# Altium PCB LimeSDR-X3_1v0.PcbDoc (part 15 of 25) (continued)
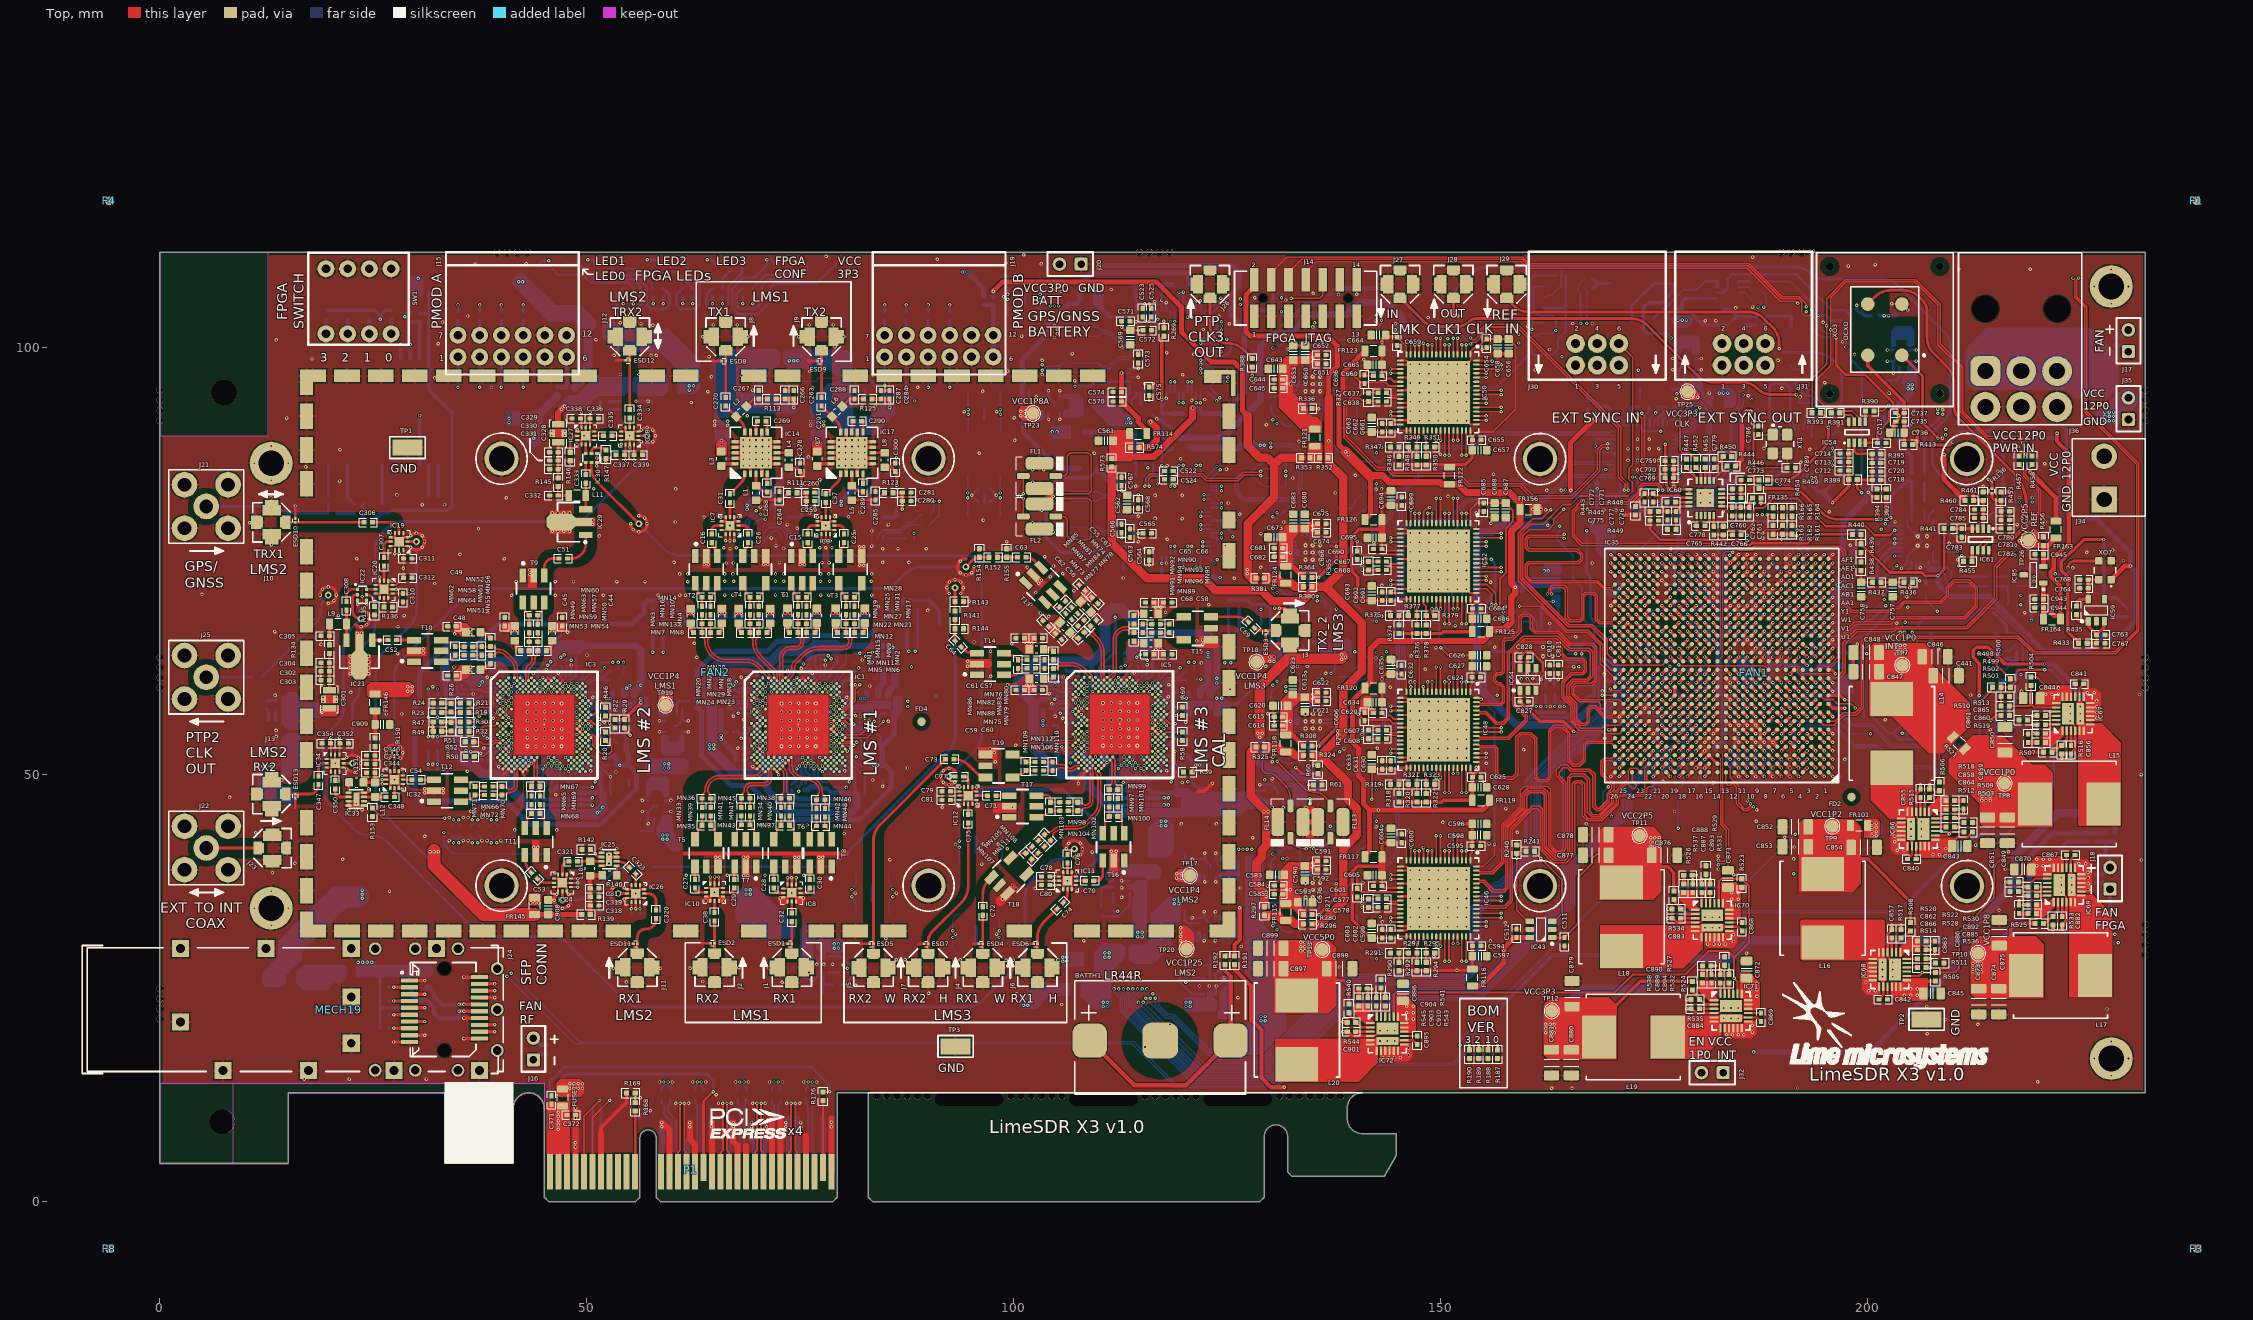
[diagram p0: Top view]
## Nets (pads, with @x,y where several pads share a name; then routed paths per layer and width w, separated by ;. In a path a pad name is that pad's centre, name@x,y a point inside that pad or via, vN(x,y) a via of type N, cw(c..) or ccw(c..) an arc to the next point about the centre after c; other vN are vias at no path point) (continued)
  Bottom w0.15: v1(92.85,30.925) 92.85,29.8 ccw(c93.675,29.8) FL9.1@93.675,28.975
  Bottom w0.2: R36.2@34.125,42.875 34.538,42.463 34.538,42.188 v1(34.375,42.025)
LMS2_IC_RX1_BB_Q_N: FL12.1 R42.2 | length 92.9
  L4 w0.1: v1(39.425,42.025) 39.412,42.025 39.354,42.083 cw(c39.696,42.425) 39.213,42.425 cw(c39.713,42.425) 39.713,42.925 52.49,42.925 cw(c52.49,40.385) 54.286,42.181 54.815,41.652 ccw(c56.751,43.588) 56.751,40.85 57.815,40.85 cw(c57.815,40.59) 58.075,40.59 58.075,39.024 ccw(c58.535,39.024) 58.535,38.564 58.615,38.564 ccw(c58.615,39.024) 59.075,39.024 59.075,40.59 cw(c59.335,40.59) 59.335,40.85 59.415,40.85 cw(c59.415,40.59) 59.675,40.59 59.675,39.024 ccw(c60.135,39.024) 60.135,38.564 60.215,38.564 ccw(c60.215,39.024) 60.675,39.024 60.675,40.59 cw(c60.935,40.59) 60.935,40.85 61.015,40.85 cw(c61.015,40.59) 61.275,40.59 61.275,39.027 ccw(c61.735,39.027) 61.735,38.567 61.815,38.567 ccw(c61.815,39.027) 62.275,39.027 62.275,40.59 cw(c62.535,40.59) 62.535,40.85 62.615,40.85 cw(c62.615,40.59) 62.875,40.59 62.875,39.024 ccw(c63.335,39.024) 63.335,38.564 63.415,38.564 ccw(c63.415,39.024) 63.875,39.024 63.875,40.59 cw(c64.135,40.59) 64.135,40.85 77.765,40.85 cw(c77.765,40.59) 78.025,40.59 78.025,39.278 ccw(c78.485,39.278) 78.485,38.818 78.565,38.818 ccw(c78.565,39.278) 79.025,39.278 79.025,40.59 cw(c79.285,40.59) 79.285,40.85 79.365,40.85 cw(c79.365,40.59) 79.625,40.59 79.625,39.278 ccw(c80.085,39.278) 80.085,38.818 80.165,38.818 ccw(c80.165,39.278) 80.625,39.278 80.625,40.59 cw(c80.885,40.59) 80.885,40.85 80.965,40.85 cw(c80.965,40.59) 81.225,40.59 81.225,39.278 ccw(c81.685,39.278) 81.685,38.818 81.765,38.818 ccw(c81.765,39.278) 82.225,39.278 82.225,40.59 cw(c82.485,40.59) 82.485,40.85 82.565,40.85 cw(c82.565,40.59) 82.825,40.59 82.825,39.278 ccw(c83.285,39.278) 83.285,38.818 83.365,38.818 ccw(c83.365,39.278) 83.825,39.278 83.825,40.59 cw(c84.085,40.59) 84.085,40.85 88.946,40.85 cw(c88.946,39.996) 89.551,40.599 ccw(c90.394,41.443) 90.394,40.25 94.45,40.25 ccw(c94.45,40.925) 95.125,40.925 95.125,41.275 ccw(c94.454,41.275) 94.454,41.946 ; v1(93.581,42.218) 93.78,42.218 cw(c93.78,41.73) 94.125,42.075 ccw(c94.435,42.385) 94.435,41.946
  Bottom w0.15: v1(93.581,42.218) 93.581,43.932 cw(c93.955,43.932) FL12.1@93.691,44.196
  Bottom w0.2: v1(39.425,42.025) 39.263,42.188 39.263,42.462 R42.2@39.675,42.875
LMS2_IC_RX1_BB_Q_P: FL11.1 R40.2 | length 94.1
  L4 w0.1: v1(38.8,42.025) 38.813,42.025 38.871,42.083 ccw(c38.529,42.425) 39.013,42.425 cw(c39.713,42.425) 39.713,43.125 52.491,43.125 cw(c52.491,40.387) 54.427,42.323 54.956,41.794 ccw(c56.752,43.59) 56.752,41.05 57.815,41.05 cw(c57.815,40.59) 58.275,40.59 58.275,39.024 ccw(c58.535,39.024) 58.535,38.764 58.615,38.764 ccw(c58.615,39.024) 58.875,39.024 58.875,40.59 cw(c59.335,40.59) 59.335,41.05 59.415,41.05 cw(c59.415,40.59) 59.875,40.59 59.875,39.024 ccw(c60.135,39.024) 60.135,38.764 60.215,38.764 ccw(c60.215,39.024) 60.475,39.024 60.475,40.59 cw(c60.935,40.59) 60.935,41.05 61.015,41.05 cw(c61.015,40.59) 61.475,40.59 61.475,39.027 ccw(c61.735,39.027) 61.735,38.767 61.815,38.767 ccw(c61.815,39.027) 62.075,39.027 62.075,40.59 cw(c62.535,40.59) 62.535,41.05 62.615,41.05 cw(c62.615,40.59) 63.075,40.59 63.075,39.024 ccw(c63.335,39.024) 63.335,38.764 63.415,38.764 ccw(c63.415,39.024) 63.675,39.024 63.675,40.59 cw(c64.135,40.59) 64.135,41.05 77.765,41.05 cw(c77.765,40.59) 78.225,40.59 78.225,39.278 ccw(c78.485,39.278) 78.485,39.018 78.565,39.018 ccw(c78.565,39.278) 78.825,39.278 78.825,40.59 cw(c79.285,40.59) 79.285,41.05 79.365,41.05 cw(c79.365,40.59) 79.825,40.59 79.825,39.278 ccw(c80.085,39.278) 80.085,39.018 80.165,39.018 ccw(c80.165,39.278) 80.425,39.278 80.425,40.59 cw(c80.885,40.59) 80.885,41.05 80.965,41.05 cw(c80.965,40.59) 81.425,40.59 81.425,39.278 ccw(c81.685,39.278) 81.685,39.018 81.765,39.018 ccw(c81.765,39.278) 82.025,39.278 82.025,40.59 cw(c82.485,40.59) 82.485,41.05 82.565,41.05 cw(c82.565,40.59) 83.025,40.59 83.025,39.278 ccw(c83.285,39.278) 83.285,39.018 83.365,39.018 ccw(c83.365,39.278) 83.625,39.278 83.625,40.59 cw(c84.085,40.59) 84.085,41.05 88.949,41.05 cw(c88.949,40.004) 89.689,40.744 89.691,40.741 ccw(c90.395,41.445) 90.395,40.45 90.975,40.45 ccw(c90.975,40.725) 91.25,40.725 91.25,41.15 cw(c91.5,41.15) 91.5,41.4 91.6,41.4 cw(c91.6,41.175) 91.825,41.175 ; 91.825,41.15 91.825,40.7 ccw(c92.075,40.7) 92.075,40.45 94.45,40.45 ccw(c94.45,40.925) 94.925,40.925 94.925,41.275 ccw(c94.454,41.275) 94.454,41.746 94.435,41.746 ccw(c94.435,41.307) 94.125,41.618 cw(c93.78,41.963) 93.78,41.475 v1(93.581,41.475)
  Bottom w0.15: v1(93.581,41.475) 93.581,39.761 ccw(c93.955,39.761) FL11.1@93.691,39.496 FL11.1@93.585,39.496
  Bottom w0.2: R40.2@38.55,42.875 38.963,42.462 38.963,42.188 v1(38.8,42.025)
LMS2_IC_RX2_BB_I_N: FL14.1 R52.2 | length 139.6
  Top w0.15: FL14.1@132.371,42.541 ccw(c133.263,42.541) 132.632,41.91 ccw(c134.118,43.396) 134.118,41.295 v1(134.243,41.295)
  Top w0.2: v1(33.725,53.625) 33.925,53.425 35.325,53.425 R52.2@35.75,53.85
  L4 w0.1: v1(33.725,53.625) 33.652,53.552 cw(c33.225,53.979) 33.225,53.375 33.075,53.375 ccw(c33.075,52.825) 32.525,52.825 32.525,52.64 ccw(c33.063,52.64) 32.683,52.26 33.031,51.911 cw(c31.235,50.115) 33.775,50.115 33.775,48.074 cw(c31.726,48.074) 33.175,46.625 32.856,46.306 ccw(c33.837,45.326) 32.45,45.326 32.45,45.264 ccw(c33.839,45.264) 33.839,43.875 54.529,43.875 cw(c54.529,41.591) 56.144,43.206 56.948,42.402 ccw(c58.884,44.338) 58.884,41.6 67.306,41.6 ccw(c67.306,42.023) 67.729,42.023 67.729,42.901 cw(c67.952,42.901) 67.952,43.124 68.114,43.124 cw(c68.114,42.901) 68.337,42.901 68.337,42.023 ccw(c68.76,42.023) 68.76,41.6 68.922,41.6 ccw(c68.922,42.023) 69.345,42.023 69.345,42.901 cw(c69.568,42.901) 69.568,43.124 69.73,43.124 cw(c69.73,42.901) 69.953,42.901 69.953,42.023 ccw(c70.376,42.023) 70.376,41.6 70.538,41.6 ccw(c70.538,42.023) 70.961,42.023 70.961,42.901 cw(c71.184,42.901) 71.184,43.124 71.346,43.124 cw(c71.346,42.901) 71.569,42.901 71.569,42.023 ccw(c71.992,42.023) 71.992,41.6 72.154,41.6 ccw(c72.154,42.023) 72.577,42.023 72.577,42.901 cw(c72.8,42.901) 72.8,43.124 72.962,43.124 cw(c72.962,42.901) 73.185,42.901 73.185,42.023 ccw(c73.608,42.023) 73.608,41.6 73.77,41.6 ccw(c73.77,42.023) 74.193,42.023 74.193,42.901 cw(c74.416,42.901) 74.416,43.124 74.578,43.124 cw(c74.578,42.901) 74.801,42.901 74.801,42.023 ccw(c75.224,42.023) 75.224,41.6 75.386,41.6 ccw(c75.386,42.023) 75.809,42.023 75.809,42.901 cw(c76.032,42.901) 76.032,43.124 76.194,43.124 cw(c76.194,42.901) 76.417,42.901 76.417,42.023 ccw(c76.84,42.023) 76.84,41.6 77.002,41.6 ccw(c77.002,42.023) 77.425,42.023 77.425,42.901 cw(c77.648,42.901) 77.648,43.124 77.81,43.124 cw(c77.81,42.901) 78.033,42.901 78.033,42.023 ccw(c78.456,42.023) 78.456,41.6 83.73,41.6 ccw(c83.73,42.52) 84.65,42.52 84.65,43.256 cw(c85.644,43.256) 85.644,44.25 112.873,44.25 cw(c112.873,41.71) 114.669,43.506 114.67,43.505 ccw(c115.708,44.542) 114.672,43.503 ccw(c115.708,44.542) 115.708,43.075 134.096,43.075 cw(c134.096,42.6) 134.571,42.6 134.571,42.354 cw(c134.071,42.354) 134.425,42 ccw(c134.865,41.56) 134.243,41.56 v1(134.243,41.295)
LMS2_IC_RX2_BB_I_P: FL13.1 R50.2 | length 140.9
  Top w0.15: v1(135.1,41.295) 135.224,41.295 ccw(c135.224,43.396) 136.71,41.91 ccw(c136.08,42.541) FL13.1@136.971,42.541
  Top w0.2: v1(33.725,52.925) 33.925,53.125 34.8,53.125 R50.2@35.8,52.125
  L4 w0.1: v1(33.725,52.925) 33.652,52.998 ccw(c33.225,52.571) 33.225,53.175 33.075,53.175 ccw(c33.075,52.825) 32.725,52.825 32.725,52.641 ccw(c33.066,52.641) 32.825,52.4 33.175,52.05 cw(c31.245,50.119) 33.975,50.119 33.975,48.074 cw(c31.726,48.074) 33.316,46.484 32.998,46.165 ccw(c33.838,45.325) 32.65,45.325 32.65,45.264 ccw(c33.839,45.264) 33.839,44.075 54.612,44.075 cw(c54.612,41.791) 55.085,44.025 ; 56.227,43.406 ccw(c54.612,41.791) 55.085,44.025 ; v1(135.1,41.295) 135.1,41.56 ccw(c134.478,41.56) 134.918,42 cw(c135.271,42.354) 134.771,42.354 134.771,42.642 ccw(c134.138,42.642) 134.138,43.275 115.711,43.275 cw(c115.711,44.549) 114.812,43.646 cw(c115.711,44.549) 114.81,43.648 ccw(c112.874,41.712) 112.874,44.45 85.644,44.45 ccw(c85.644,43.256) 84.45,43.256 84.45,42.52 cw(c83.73,42.52) 83.73,41.8 78.456,41.8 cw(c78.456,42.023) 78.233,42.023 78.233,42.901 ccw(c77.81,42.901) 77.81,43.324 77.648,43.324 ccw(c77.648,42.901) 77.225,42.901 77.225,42.023 cw(c77.002,42.023) 77.002,41.8 76.84,41.8 cw(c76.84,42.023) 76.617,42.023 76.617,42.901 ccw(c76.194,42.901) 76.194,43.324 76.032,43.324 ccw(c76.032,42.901) 75.609,42.901 75.609,42.023 cw(c75.386,42.023) 75.386,41.8 75.224,41.8 cw(c75.224,42.023) 75.001,42.023 75.001,42.901 ccw(c74.578,42.901) 74.578,43.324 74.416,43.324 ccw(c74.416,42.901) 73.993,42.901 73.993,42.023 cw(c73.77,42.023) 73.77,41.8 73.608,41.8 cw(c73.608,42.023) 73.385,42.023 73.385,42.901 ccw(c72.962,42.901) 72.962,43.324 72.8,43.324 ccw(c72.8,42.901) 72.377,42.901 72.377,42.023 cw(c72.154,42.023) 72.154,41.8 71.992,41.8 cw(c71.992,42.023) 71.769,42.023 71.769,42.901 ccw(c71.346,42.901) 71.346,43.324 71.184,43.324 ccw(c71.184,42.901) 70.761,42.901 70.761,42.023 cw(c70.538,42.023) 70.538,41.8 70.376,41.8 cw(c70.376,42.023) 70.153,42.023 70.153,42.901 ccw(c69.73,42.901) 69.73,43.324 69.568,43.324 ccw(c69.568,42.901) 69.145,42.901 69.145,42.023 cw(c68.922,42.023) 68.922,41.8 68.76,41.8 cw(c68.76,42.023) 68.537,42.023 68.537,42.901 ccw(c68.114,42.901) 68.114,43.324 67.952,43.324 ccw(c67.952,42.901) 67.529,42.901 67.529,42.023 cw(c67.306,42.023) 67.306,41.8 58.885,41.8 cw(c58.885,44.34) 57.089,42.544 56.283,43.349 ccw(c54.471,41.537) 55.085,44.025
LMS2_IC_RX2_BB_Q_N: FL16.1 R54.2 | length 58.2
  L6 w0.1: v1(37.2,42.025) ccw(c37.713,41.512) 36.987,41.512 36.988,41.3 ccw(c37.362,41.3) 37.362,40.925 40.89,40.925 ccw(c40.89,43.465) 42.686,41.669 42.784,41.767 cw(c44.554,39.997) 44.554,42.5 47.29,42.5 ccw(c47.29,42.76) 47.55,42.76 47.55,44.072 cw(c48.01,44.072) 48.01,44.532 48.09,44.532 cw(c48.09,44.072) 48.55,44.072 48.55,40.728 ccw(c48.81,40.728) 48.81,40.468 48.89,40.468 ccw(c48.89,40.728) 49.15,40.728 49.15,42.04 cw(c49.61,42.04) 49.61,42.5 54.699,42.5 cw(c54.699,39.762) 56.635,41.698 57.739,40.594 ccw(c59.535,42.39) 59.535,39.85 75.568,39.85 cw(c75.568,37.46) 77.257,39.151 80.006,36.402 ccw(c80.436,36.831) 80.433,36.224 ccw(c80.436,36.831) 80.436,36.224 ccw(c80.436,37.002) 80.986,36.452 ccw(c80.891,36.547) v1(81.025,36.547)
  Bottom w0.15: v1(81.025,36.547) ccw(c79.818,37.754) 81.525,37.754 FL16.1@81.525,38.474
  Bottom w0.2: v1(37.2,42.025) 37.038,42.188 37.038,42.462 R54.2@37.45,42.875
LMS2_IC_RX2_BB_Q_P: FL15.1 R53.2 | length 58.5
  L6 w0.1: v1(36.575,42.025) cw(c36.062,41.512) 36.787,41.512 36.788,41.3 ccw(c37.362,41.3) 37.362,40.725 40.891,40.725 ccw(c40.891,43.462) 42.827,41.527 42.925,41.625 cw(c44.555,39.995) 44.555,42.3 47.29,42.3 ccw(c47.29,42.76) 47.75,42.76 47.75,44.072 cw(c48.01,44.072) 48.01,44.332 48.09,44.332 cw(c48.09,44.072) 48.35,44.072 48.35,40.728 ccw(c48.81,40.728) 48.81,40.268 48.89,40.268 ccw(c48.89,40.728) 49.35,40.728 49.35,42.04 cw(c49.61,42.04) 49.61,42.3 54.698,42.3 cw(c54.698,39.76) 56.494,41.556 57.598,40.452 ccw(c59.534,42.388) 59.534,39.65 75.485,39.65 cw(c75.485,37.26) 77.174,38.951 ; 77.175,38.95 79.866,36.259 ccw(c80.434,36.827) 80.429,36.024 ccw(c80.434,36.827) 80.434,36.024 80.436,36.024 cw(c80.436,35.246) 80.986,35.796 cw(c80.891,35.701) v1(81.025,35.701)
  Bottom w0.15: v1(81.025,35.701) cw(c79.818,34.494) 81.525,34.494 FL15.1@81.525,33.774
  Bottom w0.2: R53.2@36.325,42.875 36.738,42.462 36.738,42.188 v1(36.575,42.025)
LMS2_IC_TX1_BB_I_N: FL2.3 R16.1 R17.2 R18.2 | length 92.6
  Top w0.2: FL2.3@101.1,80.225 v1(101.1,82.329)
  L4 w0.1: v1(31.4,56.7) 31.575,56.7 ccw(c31.575,56.975) 31.85,56.975 31.85,57.134 ccw(c31.509,57.134) 31.75,57.375 30.888,58.237 cw(c31.643,58.992) 30.88,58.245 cw(c31.643,58.992) 30.575,58.992 30.575,60.225 cw(c31.3,60.225) 31.3,60.95 32.525,60.95 ccw(c32.525,62.923) 33.92,61.528 39.68,67.287 cw(c40.799,66.165) 40.799,67.75 48.448,67.75 ccw(c48.448,70.29) 50.244,68.494 64.248,82.498 cw(c66.184,80.563) 66.184,83.3 91.023,83.3 ccw(c91.023,85.84) 92.819,84.044 92.925,84.15 cw(c94.252,82.824) 94.252,84.7 99.953,84.7 cw(c99.953,83.319) 100.929,84.296 101,84.225 ccw(c101.785,85.01) 101.785,83.9 101.875,83.9 cw(c101.875,83.375) 102.4,83.375 102.4,83.127 cw(c101.775,83.127) 101.775,82.502 101.517,82.502 ccw(c101.517,81.912) v1(101.1,82.329)
  Bottom w0.3: R16.1@31.4,56.15 R18.2@31.4,58.35
LMS2_IC_TX1_BB_I_P: FL1.3 R14.1 R15.2 R17.1 | length 91.7
  Top w0.15: v1(101.1,82.875) FL1.3@101.1,84.975
  L4 w0.1: 31.031,58.377 31.486,57.922 31.893,57.515 cw(c31.514,57.136) 32.05,57.136 32.05,56.975 ccw(c32.325,56.975) 32.325,56.7 v1(32.5,56.7) ; 31.03,58.377 cw(c31.648,58.994) 30.775,58.994 30.775,60.225 cw(c31.3,60.225) 31.3,60.75 32.526,60.75 ccw(c32.526,62.921) 34.061,61.386 39.819,67.144 cw(c40.8,66.163) 40.8,67.55 48.449,67.55 ccw(c48.449,70.287) 50.385,68.352 64.389,82.356 cw(c66.185,80.56) 66.185,83.1 91.024,83.1 ccw(c91.024,85.837) 92.96,83.902 93.066,84.009 cw(c94.253,82.822) 94.253,84.5 99.853,84.5 cw(c99.853,83.078) 100.859,84.084 100.861,84.082 ccw(c101.782,85.003) 101.782,83.7 101.875,83.7 cw(c101.875,83.375) 102.2,83.375 102.2,83.127 cw(c101.775,83.127) 101.775,82.702 101.517,82.702 cw(c101.517,83.292) v1(101.1,82.875)
  Bottom w0.3: R14.1@32.5,56.15 R15.2@32.5,58.35
LMS2_IC_TX1_BB_Q_N: FL4.3 R21.2 R24.1 R26.2 | length 105.2
  Top w0.325: R24.1@33,58.375 R21.2@35.2,58.375
  L4 w0.1: v1(33.55,58.375) 33.782,58.143 ccw(c34.308,58.668) 34.308,57.925 34.925,57.925 ccw(c34.925,58.83) 35.565,58.19 35.965,58.59 cw(c36.774,57.782) 36.774,58.925 36.775,58.925 ccw(c36.775,60.174) 37.658,59.291 43.734,65.367 cw(c45.142,63.959) 45.142,65.95 50.565,65.95 ccw(c50.565,66.21) 50.825,66.21 50.825,67.522 cw(c51.285,67.522) 51.285,67.982 51.365,67.982 cw(c51.365,67.522) 51.825,67.522 51.825,64.178 ccw(c52.085,64.178) 52.085,63.918 52.165,63.918 ccw(c52.165,64.178) 52.425,64.178 52.425,67.522 cw(c52.885,67.522) 52.885,67.982 52.965,67.982 cw(c52.965,67.522) 53.425,67.522 53.425,64.178 ccw(c53.685,64.178) 53.685,63.918 53.765,63.918 ccw(c53.765,64.178) 54.025,64.178 54.025,67.522 cw(c54.485,67.522) 54.485,67.982 54.565,67.982 cw(c54.565,67.522) 55.025,67.522 55.025,64.178 ccw(c55.285,64.178) 55.285,63.918 55.365,63.918 ccw(c55.365,64.178) 55.625,64.178 55.625,67.522 cw(c56.085,67.522) 56.085,67.982 56.165,67.982 cw(c56.165,67.522) 56.625,67.522 56.625,64.691 ccw(c56.885,64.691) 56.885,64.431 56.965,64.431 ccw(c56.965,64.691) 57.225,64.691 57.225,65.575 cw(c57.6,65.575) 57.6,65.95 57.791,65.95 ccw(c57.791,68.084) 59.299,66.574 60.098,67.373 cw(c62.034,65.438) 62.034,68.175 79.525,68.175 ccw(c79.525,69.242) 80.28,68.488 81.385,69.593 cw(c82.488,68.49) 82.488,70.05 82.608,70.05 ccw(c82.608,71.842) 83.875,70.575 ccw(c82.608,71.842) 84.4,71.842 84.4,72.499 cw(c87.137,72.499) 85.202,74.435 93.126,82.358 cw(c94.186,81.298) 94.186,82.798 94.188,82.798 ccw(c94.188,83.388) v1(94.605,82.971)
  Bottom w0.2: v1(94.605,82.971) FL4.3@94.605,85.075
LMS2_IC_TX1_BB_Q_P: FL3.3 R19.2 R23.1 R26.1 | length 105.2
  Top w0.325: R23.1@33,57.275 R19.2@35.2,57.275
  L4 w0.1: v1(33.55,57.275) 33.782,57.507 cw(c34.308,56.982) 34.308,57.725 34.926,57.725 ccw(c34.926,58.828) 35.706,58.048 36.106,58.448 cw(c36.775,57.778) 36.775,58.725 ; 36.776,58.725 ccw(c36.776,60.171) 37.799,59.149 43.875,65.225 cw(c45.142,63.958) 45.142,65.75 50.565,65.75 ccw(c50.565,66.21) 51.025,66.21 51.025,67.522 cw(c51.285,67.522) 51.285,67.782 51.365,67.782 cw(c51.365,67.522) 51.625,67.522 51.625,64.178 ccw(c52.085,64.178) 52.085,63.718 52.165,63.718 ccw(c52.165,64.178) 52.625,64.178 52.625,67.522 cw(c52.885,67.522) 52.885,67.782 52.965,67.782 cw(c52.965,67.522) 53.225,67.522 53.225,64.178 ccw(c53.685,64.178) 53.685,63.718 53.765,63.718 ccw(c53.765,64.178) 54.225,64.178 54.225,67.522 cw(c54.485,67.522) 54.485,67.782 54.565,67.782 cw(c54.565,67.522) 54.825,67.522 54.825,64.178 ccw(c55.285,64.178) 55.285,63.718 55.365,63.718 ccw(c55.365,64.178) 55.825,64.178 55.825,67.522 cw(c56.085,67.522) 56.085,67.782 56.165,67.782 cw(c56.165,67.522) 56.425,67.522 56.425,64.691 ccw(c56.885,64.691) 56.885,64.231 56.965,64.231 ccw(c56.965,64.691) 57.425,64.691 57.425,65.575 cw(c57.6,65.575) 57.6,65.75 57.794,65.75 ccw(c57.794,68.076) 59.439,66.431 60.239,67.231 cw(c62.035,65.435) 62.035,67.975 79.608,67.975 ccw(c79.608,69.042) 80.363,68.288 81.525,69.45 cw(c82.491,68.484) 82.491,69.85 82.609,69.85 ccw(c82.609,71.84) 84.016,70.433 ; 84.016,70.434 ccw(c82.608,71.842) 84.6,71.842 84.6,72.498 cw(c87.14,72.498) 85.344,74.294 93.266,82.216 cw(c94.188,81.294) 94.188,82.598 cw(c94.188,82.008) v1(94.605,82.425)
  Bottom w0.15: FL3.3@94.605,80.325 v1(94.605,82.425)
LMS2_IC_TX2_BB_I_N: FL6.3 R28.2 R37.1 R38.2 | length 117.6
  L6 w0.1: v1(32.5,51.2) 32.191,50.891 ccw(c32.533,50.55) 32.05,50.55 ccw(c32.975,50.55) 32.975,49.625 33.1,49.625 ccw(c33.1,50.425) 33.9,50.425 ccw(c32.591,50.425) 33.517,51.351 33.333,51.534 cw(c34.317,52.519) 32.925,52.519 ccw(c32.644,52.519) 32.644,52.8 32.3,52.8 cw(c32.3,53.025) 32.075,53.025 32.075,53.275 cw(c32.3,53.275) 32.3,53.5 32.631,53.5 ccw(c32.631,53.794) 32.925,53.794 32.925,54.55 ccw(c31.375,54.55) 32.471,55.646 32.158,55.959 cw(c32.901,56.703) 31.85,56.703 31.85,57.554 cw(c33.831,57.554) 32.43,58.955 34.428,60.953 ccw(c32.807,62.575) 35.1,62.575 cw(c36.143,62.576) 35.406,63.313 41.415,69.323 cw(c43.351,67.388) 43.351,70.125 82.198,70.125 ccw(c82.198,72.665) 83.994,70.869 85.311,72.186 ccw(c83.646,73.85) 86,73.85 86,73.854 cw(c88.484,73.854) 86.728,75.61 92.831,81.714 ccw(c91.035,83.51) 93.575,83.51 93.575,92.063 cw(c96.037,92.063) 94.296,93.804 99.556,99.064 ccw(c97.76,100.86) 100.3,100.86 100.3,105.476 ccw(c99.924,105.476) 99.924,105.852 99.673,105.852 ccw(c99.673,105.348) 99.317,105.705 cw(c99.256,105.766) v1(99.256,105.679)
  Bottom w0.2: FL6.3@99.256,103.575 v1(99.256,105.679)
  Bottom w0.3: R37.1@32.5,50.65 R28.2@32.5,52.85
LMS2_IC_TX2_BB_I_P: FL5.3 R25.2 R35.1 R38.1 | length 117.3
  L6 w0.1: v1(31.4,51.2) 31.695,50.905 cw(c31.317,50.529) 31.85,50.529 ccw(c32.954,50.529) 32.954,49.425 33.1,49.425 ccw(c33.1,50.425) 34.1,50.425 ; 34.1,50.426 ccw(c32.593,50.426) 33.659,51.491 33.475,51.675 cw(c34.32,52.52) 33.125,52.52 33.125,54.55 ccw(c31.375,54.55) 32.612,55.788 32.3,56.1 cw(c32.904,56.704) 32.05,56.704 32.05,57.55 cw(c33.842,57.55) 32.575,58.817 34.57,60.812 ccw(c32.807,62.575) 35.3,62.575 ; 35.3,62.575 cw(c36.145,62.575) 35.547,63.172 41.556,69.181 cw(c43.352,67.385) 43.352,69.925 82.199,69.925 ccw(c82.199,72.662) 84.135,70.727 85.452,72.044 ccw(c83.647,73.85) 86.2,73.85 ; 86.2,73.85 cw(c88.494,73.85) 86.872,75.472 92.973,81.573 ccw(c91.038,83.509) 93.775,83.509 93.775,92.062 cw(c96.038,92.062) 94.438,93.663 99.698,98.923 ccw(c97.763,100.859) 100.5,100.859 100.5,105.484 ccw(c99.932,105.484) 99.932,106.052 99.673,106.052 cw(c99.673,106.556) 99.317,106.2 ccw(c99.256,106.139) v1(99.256,106.225)
  Bottom w0.15: v1(99.256,106.225) FL5.3@99.256,108.325
  Bottom w0.3: R35.1@31.4,50.65 R25.2@31.4,52.85
LMS2_IC_TX2_BB_Q_N: FL8.3 R32.2 R49.1 R51.2 | length 126.3
  Top w0.325: R49.1@33,55.075 R32.2@35.2,55.075
  L6 w0.1: v1(33.55,55.075) cw(c34.516,56.041) 33.15,56.041 33.15,56.075 cw(c33.633,56.075) 33.291,56.416 35.324,58.449 ccw(c33.873,59.9) 35.925,59.9 35.925,59.901 cw(c37.45,59.901) 36.372,60.979 40.115,64.723 cw(c42.051,62.788) 42.051,65.525 47.064,65.525 ccw(c47.064,67.886) 48.734,66.216 cw(c49.961,64.99) 49.961,66.725 50.39,66.725 cw(c50.39,66.265) 50.85,66.265 50.85,64.699 ccw(c51.11,64.699) 51.11,64.439 51.19,64.439 ccw(c51.19,64.699) 51.45,64.699 51.45,68.551 cw(c51.91,68.551) 51.91,69.011 51.99,69.011 cw(c51.99,68.551) 52.45,68.551 52.45,64.699 ccw(c52.71,64.699) 52.71,64.439 52.79,64.439 ccw(c52.79,64.699) 53.05,64.699 53.05,68.551 cw(c53.51,68.551) 53.51,69.011 53.59,69.011 cw(c53.59,68.551) 54.05,68.551 54.05,64.699 ccw(c54.31,64.699) 54.31,64.439 54.39,64.439 ccw(c54.39,64.699) 54.65,64.699 54.65,68.551 cw(c55.11,68.551) 55.11,69.011 55.19,69.011 cw(c55.19,68.551) 55.65,68.551 55.65,64.699 ccw(c55.91,64.699) 55.91,64.439 55.99,64.439 ccw(c55.99,64.699) 56.25,64.699 56.25,68.551 cw(c56.71,68.551) 56.71,69.011 56.79,69.011 cw(c56.79,68.551) 57.25,68.551 57.25,66.985 ccw(c57.51,66.985) 57.51,66.725 58.195,66.725 ccw(c58.195,68.83) 59.684,67.341 59.685,67.343 cw(c61.03,65.999) 61.03,67.9 83.298,67.9 ccw(c83.298,70.44) 85.094,68.644 86.55,70.1 87.581,71.131 ccw(c85.785,72.927) 88.325,72.927 88.325,73.903 cw(c89.483,73.903) 88.664,74.722 95.956,82.014 ccw(c94.16,83.81) 96.7,83.81 96.7,90.802 ccw(c95.129,90.802) 95.129,92.373 95.042,92.373 ccw(c95.042,91.869) 94.686,92.225 cw(c94.625,92.286) v1(94.625,92.2)
  Bottom w0.15: FL8.3@94.625,90.1 v1(94.625,92.2)
LMS2_IC_TX2_BB_Q_P: FL7.3 R30.2 R47.1 R51.1 | length 126.1
  Top w0.325: R47.1@33,56.175 R30.2@35.2,56.175
  L6 w0.1: v1(33.55,56.175) 34.8,56.175 ccw(c34.8,56.525) 35.15,56.525 35.15,57.475 cw(c36.176,57.475) 35.45,58.2 ccw(c33.822,59.829) 35.452,58.202 ccw(c33.822,59.829) 36.125,59.829 36.125,59.9 cw(c37.453,59.9) 36.514,60.839 40.256,64.581 cw(c42.052,62.785) 42.052,65.325 47.065,65.325 ccw(c47.065,67.884) 48.875,66.075 cw(c49.961,64.989) 49.961,66.525 50.39,66.525 cw(c50.39,66.265) 50.65,66.265 50.65,64.699 ccw(c51.11,64.699) 51.11,64.239 51.19,64.239 ccw(c51.19,64.699) 51.65,64.699 51.65,68.551 ; 51.65,68.551 cw(c51.91,68.551) 51.91,68.811 51.99,68.811 cw(c51.99,68.551) 52.25,68.551 52.25,64.699 ccw(c52.71,64.699) 52.71,64.239 52.79,64.239 ccw(c52.79,64.699) 53.25,64.699 53.25,68.551 cw(c53.51,68.551) 53.51,68.811 53.59,68.811 cw(c53.59,68.551) 53.85,68.551 53.85,64.699 ccw(c54.31,64.699) 54.31,64.239 54.39,64.239 ccw(c54.39,64.699) 54.85,64.699 54.85,68.551 cw(c55.11,68.551) 55.11,68.811 55.19,68.811 cw(c55.19,68.551) 55.45,68.551 55.45,64.699 ccw(c55.91,64.699) 55.91,64.239 55.99,64.239 ccw(c55.99,64.699) 56.45,64.699 56.45,68.551 cw(c56.71,68.551) 56.71,68.811 56.79,68.811 cw(c56.79,68.551) 57.05,68.551 57.05,66.985 ccw(c57.51,66.985) 57.51,66.525 58.198,66.525 ccw(c58.198,68.822) 59.823,67.198 59.825,67.2 cw(c61.032,65.993) 61.032,67.7 83.299,67.7 ccw(c83.299,70.437) 85.235,68.502 87.723,70.99 ccw(c85.787,72.926) 88.525,72.926 88.525,73.9 cw(c89.491,73.9) 88.808,74.583 96.098,81.873 ccw(c94.163,83.809) 96.9,83.809 ; v1(94.625,92.746) cw(c94.625,92.66) 94.686,92.72 ccw(c95.042,93.077) 95.042,92.573 95.129,92.573 cw(c95.129,90.802) 96.9,90.802 96.9,83.81
  Bottom w0.2: v1(94.625,92.746) FL7.3@94.625,94.85
LMS2_RESET: IC3.E27 IC35.V7 R27.1 | length 187.5
  Top w0.4: IC35.V7@189.375,67.275 v1(189.875,67.775)
  L6 w0.1: v2(48.159,60.002) 48.902,60.002 52.425,63.525 54.625,63.525 57.625,60.525 57.625,58.616 60.45,55.791 60.45,55.416 66.491,49.375 79.775,49.375 80.875,50.475 84.7,50.475 98.825,64.6 98.825,65.891 105.359,72.425 109.241,72.425 110.341,71.325 125.22,71.325 127.545,69 135.35,69 138.5,72.15 142.358,72.15 143.208,71.3 155.775,71.3 160.225,75.75 164.1,75.75 165.775,77.425 167.316,77.425 167.341,77.45 167.349,77.45 169.758,79.859 171.806,79.859 172.197,80.25 181.825,80.25 182.925,81.35 183.425,81.35 184.3,82.225 187.625,82.225 188.15,81.7 189.025,81.7 191.7,79.025 v1(191.7,78.6)
  Bottom w0.13: v1(189.875,67.775) 189.45,68.2 188.875,68.2 188.48,68.595 188.48,70.905 188.745,71.17 190.22,71.17 190.48,71.43 190.48,76.005 191.03,76.555 191.03,77.93 v1(191.7,78.6)
  Bottom w0.3: R27.1@48.091,59.032 48.067,59.056 48.067,59.896 48.159,59.988 v2(48.159,60.002)
LMS2_RX1_BB_I_N: FL10.3 R270.2 R273.2 | length 40.3
  L6 w0.1: v1(98.3,31.725) ccw(c99.024,32.449) 99.024,31.425 99.028,31.425 cw(c99.028,29.603) 100.316,30.891 103.837,27.371 ccw(c105.034,28.567) 103.839,27.369 ccw(c105.034,28.567) 105.034,26.875 117.316,26.875 ccw(c117.316,28.809) 118.684,27.441 119,27.758 cw(c120.007,26.752) 120.007,28.175 125.481,28.175 ccw(c125.481,30.715) 127.278,28.919 130.089,31.731 ccw(c129.52,32.3) v1(130.325,32.3)
  Bottom w0.15: FL10.3@97.45,33.675 97.475,33.675 cw(c97.475,32.85) 98.3,32.85 v1(98.3,31.725)
  Bottom w0.254: R270.2@130.075,34 130.075,33.53 ccw(c130.884,33.53) 130.312,32.958 R273.2@130.531,32.739 cw(c129.971,32.739) v1@130.367,32.342
LMS2_RX1_BB_I_P: FL9.3 R273.1 R276.2 | length 40.4
  L6 w0.1: v1(98.3,30.925) cw(c99.024,30.201) 99.024,31.225 cw(c99.024,29.594) 100.178,30.747 103.698,27.227 ccw(c105.03,28.559) 103.699,27.226 ccw(c105.03,28.559) 105.03,26.675 117.319,26.675 ccw(c117.319,28.802) 118.823,27.298 119.14,27.615 ; 119.14,27.615 cw(c120.009,26.746) 120.009,27.975 125.483,27.975 ccw(c125.483,30.712) 127.418,28.777 130.231,31.589 ; 130.231,31.589 cw(c130.8,31.02) v1(130.8,31.825)
  Bottom w0.15: FL9.3@97.475,28.975 ccw(c97.475,29.8) 98.3,29.8 v1(98.3,30.925)
  Bottom w0.254: v1@130.842,31.867 cw(c131.239,31.471) R273.1@131.239,32.031 131.458,31.812 ccw(c132.03,32.384) 132.03,31.575 R276.2@132.5,31.575
LMS2_RX1_BB_Q_N: FL12.3 R281.2 R283.2 | length 40.9
  L4 w0.1: v1(98.6,42.193) ccw(c99.195,42.788) 99.195,41.946 100.604,41.946 cw(c100.604,41.225) 101.325,41.225 ccw(c101.975,41.225) 101.975,40.575 102.775,40.575 ccw(c102.775,41.375) 103.575,41.375 103.575,42.627 cw(c104.698,42.627) 104.698,43.75 111.741,43.75 cw(c111.741,41.012) 113.677,42.948 113.704,42.921 113.775,42.85 ccw(c115.284,44.359) 115.284,42.225 128.792,42.225 cw(c128.792,40.717) 129.858,41.783 130.231,41.411 ccw(c130.8,41.98) v1(130.8,41.175)
  Bottom w0.15: v1(98.6,42.193) 98.6,43.087 ccw(c97.491,43.087) FL12.3@97.491,44.196 ; FL12.3@97.491,44.196 97.596,44.196 FL12.3@97.491,44.196
  Bottom w0.254: v1@130.842,41.133 ccw(c131.239,41.529) R283.2@131.239,40.969 131.458,41.188 cw(c132.03,40.616) 132.03,41.425 R281.2@132.5,41.425
LMS2_RX1_BB_Q_P: FL11.3 R283.1 R286.2 | length 40.6
  L4 w0.1: v1(98.6,41.5) cw(c99.195,40.905) 99.195,41.746 100.604,41.746 cw(c100.604,41.225) 101.125,41.225 ccw(c101.975,41.225) 101.975,40.375 102.775,40.375 ccw(c102.775,41.375) 103.775,41.375 103.775,42.626 cw(c104.699,42.626) 104.699,43.55 111.74,43.55 cw(c111.74,41.01) 113.536,42.806 113.636,42.706 ccw(c115.28,44.35) 115.28,42.025 128.792,42.025 cw(c128.792,40.717) 129.717,41.642 130.089,41.269 cw(c129.52,40.7) v1(130.325,40.7)
  Bottom w0.15: FL11.3@97.491,39.496 ccw(c97.491,40.606) 98.6,40.606 v1(98.6,41.5)
  Bottom w0.254: R286.2@130.075,39 130.075,39.47 cw(c130.884,39.47) 130.312,40.042 R283.1@130.531,40.261 ccw(c129.971,40.261) 130.367,40.658 v1(130.325,40.7)
LMS2_RX1_H: C53.1 IC24.5 | length 2.2
  Top w0.325: C53.1@44.195,37.803 ccw(c45.347,38.955) 45.347,37.326 IC24.5@46.127,37.326 IC24.5@46.252,37.326
LMS2_RX1_H_LNA: C316.2 IC19.2 | length 61
  Top w0.325: IC19.2@28.879,77.289 IC19.2@29.004,77.289 v5(30.029,77.289)
  Bottom w0.325: v5(30.029,77.289) 30.029,69.231 cw(c27.489,69.231) 29.285,67.435 26.019,64.169 ccw(c27.815,62.373) 25.275,62.373 25.275,47.452 ccw(c27.815,47.452) 26.019,45.656 37.631,34.044 ccw(c39.427,35.84) 39.427,33.3 C316.2@47.3,33.3
LMS2_RX1_IN: C320.1 IC26.2 | length 3
  Top w0.325: IC26.2@56.584,36.069 IC26.2@56.709,36.069 57.166,36.069 cw(c57.166,35.144) 58.091,35.144 C320.1@58.091,34.157